# Allegro board FRDM-A-S32K356_PCBLayout.brd (continued)
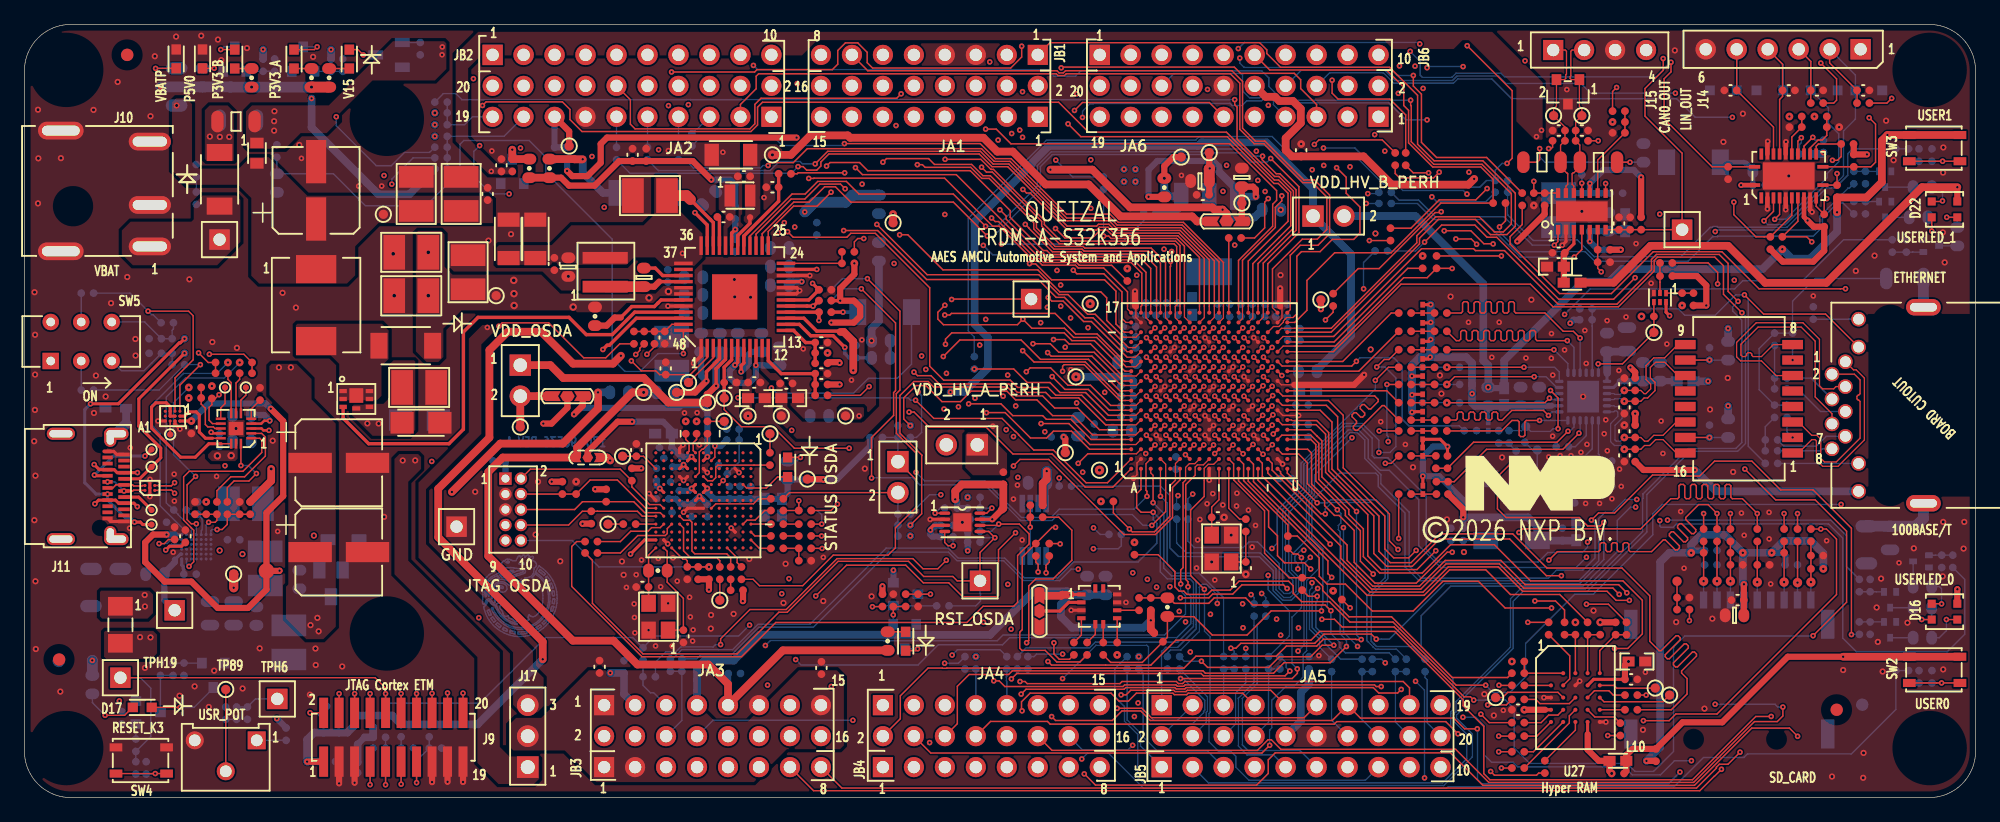
[diagram p0: board, top side]
## Routing (per net, layer and track width the routed paths; a pad name or vN(x,y) marks a point on that pad's centre or on a via; arc(x,y) is an arc through that point) (continued)
GND_ENET: length 8.5
  BOTTOM w0.889: C128.1 151.04,22.26 R235.1 155.08,22.26 155.72,22.9 J7.S2 ; C116.2 J7.S1
P3V3_ENET: length 91.5
  TOP w0.254: v1(115.31,37.58) 115.16,37.42 R254.1 ; v1(113.79,31.61) 113.87,31.61 113.91,31.66 R209.1 ; U21.6 134.61,39.82 v1(134.9,39.53) ; R186.1 v1(114.67,26.36) ; R185.1 R208.1 116.1,29.39 v1(116.69,28.79) 116.69,28.79 R216.1 ; R238.1 115.3,40.43 v1(115.31,40.44) ; R184.1 113.82,33.08 v1(113.78,33.04) ; v1(113.77,34.58) 113.78,34.57 R221.1 ; R222.1 115.13,35.98 v1(115.27,36.13) ; v1(115.31,38.98) 115.27,38.94 R239.1
  TOP w0.508: v1(136.96,26.87) 132.76,26.87 R191.1 ; v1(131.69,35.28) 132.08,34.89 R196.1 ; R734.1 137.14,42.78 137.91,42.01 v1(137.91,40.37) R735.1 ; v1(117.98,22.99) 117.98,23.65 R217.1 ; R195.1 v2(132.08,31.5)
  BOTTOM w0.254: R255.1 120.03,31.27 R256.2 ; 125.21,32.14 U14.14
  BOTTOM w0.508: C126.1 124.21,32.14 125.21,32.14 ; 127.22,21.08 C131.1 ; v1(116.69,28.79) 115.5,28.79 114.67,27.97 v1(114.67,26.36) 116.01,26.36 117.98,24.39 v1(117.98,22.99) R264.1 ; 138.06,34.15 v1(138.06,34.15) ; v1(126.75,38.92) 127.03,39.19 R541.1
  BOTTOM w0.635: R733.1 v1(139.7,32.13) ; v1(115.31,40.44) 115.31,39.61 115.31,39.6 v1(115.31,38.98) v1(115.31,37.58) 115.31,36.97 115.31,36.97 115.31,36.84 115.27,36.8 v1(115.27,36.13) ; L8.2 138.06,34.15 ; v1(117.98,22.99) 123.29,22.99 124.06,22.23 Y4.4 C132.1 127.22,21.08 ; R197.1 v1(139.7,38.48) ; v1(113.79,31.61) 113.79,32.22 113.78,32.22 v1(113.78,33.04) 113.78,33.65 113.77,33.66 v1(113.77,34.58) 113.77,35.48 114.43,36.13 v1(115.27,36.13) ; v1(115.27,36.13) 118.22,36.13 118.7,35.65 R543.1 R539.1 118.7,33.14 v1(118.71,33.13) 118.7,33.12 R537.1 118.96,32.13 R256.2 121.27,32.13 L9.2 121.4,32.14 C127.1 C126.1 ; v1(136.96,26.87) 138.72,25.12 J7.9
  vias: v3(132.6,39.47)
P3V3_QSPI: length 13.9
  TOP w0.254: 128.19,5.2 128.18,5.2 U27.E4 ; 124.69,7.21 U27.D1 ; U27.B4 128.67,9.7 C176.1
  TOP w0.508: R779.1 v3(129.21,14.38) ; 128.19,5.2 128.19,3.93 129.1,3.02 L10.2 129.97,2.17 v3(130.16,1.98) ; v2(122.99,7.21) 124.69,7.21 ; v3(131.53,11.16) 131.24,10.87 C176.1
  vias: v3(121.97,11.16) v3(127.18,14.38)
P3V3_SDA: length 50.6
  TOP w0.254: U8.K3 54.03,27.29 54.03,27.29 v1(54.05,27.31) U8.J3 ; U8.M6 52.11,25.35 v1(52.1,25.36) ; U8.G5 v1(56,25.36) 55.68,25.04 U8.G6 ; U10.3 74.55,22.33 74.29,22.08 v1(74.29,21.94) ; U8.H7 v1(55.35,24.71) 55.68,24.39 U8.G7 ; U8.H6 v1(54.7,25.36) 54.75,25.4 54.75,25.4 U8.H5 ; U8.N12 50.86,21.13 v1(49.7,19.98)
  TOP w0.508: SJ1.1 44.53,31.98 43.22,30.68 v1(42.55,30.68) ; R150.1 43.24,25.91 v1(43.24,25.92) ; v1(46.8,25.3) 46.81,25.29 R151.1 ; R152.1 45.77,22.47 v1(45.77,22.47) ; v1(56.13,17.06) 56.13,17.07 R153.1 R110.1 ; v1(65.52,26.09) 65.49,26.09 65.46,26.13 TP29.1 ; v1(58.91,16.11) 58.93,16.13 R97.1 ; R149.1 v1(50.59,27.01) ; R141.1 v1(70.36,17.34)
  TOP w0.635: SJ2.1 47.79,27.9 v1(48.03,27.65)
  BOTTOM w0.508: C83.1 54.51,25.17 v1(54.7,25.36) ; R132.1 R130.1 v1(77.35,20.25) ; C97.1 74.68,22.33 v1(74.29,21.94) 74.29,21.57 74.45,21.41 R131.1 ; C81.1 53.42,24.51 C82.1 53.87,24.07 53.89,24.09 54.39,24.09 54.43,24.06 C92.1 v1(55.35,24.71) 56,24.06 C85.1 ; R115.1 69.34,28.81 66.62,26.09 v1(65.52,26.09) R129.1 62.58,24.96 62.13,24.5 C88.1 C87.1 59.56,24.5 C84.1 C91.1 C90.1 56.54,24.51 56,25.05 v1(56,25.36) ; C89.1 51.83,25.62 v1(52.1,25.36) ; v1(54.05,27.31) 53.86,27.12 C86.1 ; Q6.2 v1(71.26,18.65) ; C101.1 J13.1
  vias: v2(72.64,21.46)
P3V3_SDHD: length 44.6
  TOP w0.508: v1(141,17.5) 140.99,17.49 C174.1 140.99,14.96 C173.1 ; R805.1 133.75,3.01 v1(133.01,3.01)
  BOTTOM w0.508: v2(143.28,20.08) 144.18,20.08 144.39,19.87 144.39,19.11 R753.1 ; v1(141,17.5) 140.99,17.49 J16.4 ; v2(136.68,20.08) 136.86,20.27 R755.1
  BOTTOM w0.635: v2(147.51,18.76) 147.51,20.03 146.49,21.05 144.24,21.05 v2(143.28,20.08) v2(140.91,20.08) ; v1(133.01,3.01) 134.13,4.13 134.13,19.32 134.89,20.08 v2(136.68,20.08) 136.68,20.76 137.47,21.55 139.44,21.55 v2(140.91,20.08) ; v2(140.91,20.08) 140.91,17.59 v1(141,17.5)
P5V0: length 235.4
  TOP w0.508: D22.1 v1(158.5,50.07) ; v1(158.5,17.09) 158.5,17.09 D16.1
  TOP w0.635: L6.2 130.31,42.24 133.34,45.26 139.71,45.26 142.74,42.23 147.76,42.23 155.6,50.07 v1(158.5,50.07) ; R137.1 62.19,12.08 JA3.9 57.7,9.31 56.09,10.92 50.26,10.92 48.3,12.87 44.97,12.87 38.03,19.81 38.03,26.71 39.23,27.9 SJ2.3 45.33,28.01 45.33,28.72 49.84,33.24 v3(50.78,33.24)
  TOP w0.889: R10.1 v3(23.54,58.28)
  L4_INT_2 w0.635: v1(158.5,17.09) 154.63,17.09 145.88,25.84 145.88,43.5 146.51,44.13 150,44.13 155.93,50.07 v1(158.5,50.07) ; JA3.9 56.4,8.88 40.48,8.88 34.15,2.55 25.39,2.55 24.02,1.18 9.28,1.18 7.79,2.67 7.79,4.71 5.57,6.93 v1(5.57,11.25)
  BOTTOM w0.508: C152.1 57.71,9.49 57.7,9.48 JA3.9
  BOTTOM w0.635: R529.2 v3(50.78,33.24) R528.1
  BOTTOM w0.889: R361.1 5.58,11.25 v1(5.57,11.25) ; v1(11.18,58.29) R5.1 16.89,58.29 16.9,58.28 v3(18.63,58.28) v3(23.54,58.28)
V11_MCU: length 7.2
  TOP w0.127: U2.H9 v1(96.71,33.73) ; U2.J10 v1(96.8,34.53) ; U2.K9 v1(98.31,33.73) ; U2.J8 v1(96.8,32.93)
  BOTTOM w0.254: 90.59,34.5 90.41,34.5 90.38,34.53 90.3,34.53
  BOTTOM w0.508: C51.1 90.93,34.17
  BOTTOM w0.635: v3(86.22,34.52) 89.59,34.52 89.61,34.53 90.3,34.53 ; 90.93,34.17 90.59,34.5
V15_MCU: length 20.3
  TOP w0.635: SJ4.1 98.57,47.27 98.57,47.91 v1(98.25,48.23) 97.58,48.23 97.39,48.41 90.66,48.41 87.57,51.51 v1(84.13,51.51)
  BOTTOM w0.635: R534.1 100.86,47.59 98.89,47.59 v1(98.25,48.23)
  vias: v1(36.82,58.97)
V15_MCU_S32K: length 4.8
  TOP w0.127: U2.E9 v1(94.31,33.73) ; U2.N8 v1(100,32.93) ; U2.N6 v1(100,31.33) ; U2.H10 v1(96,34.53) ; U2.H8 v1(96,32.93) ; U2.J13 v1(97.51,36.93) ; U2.K8 v1(97.6,32.93) ; U2.K10 v1(97.6,34.53)
  TOP w0.508: v1(106.31,40.06) 106.31,40.67 106.31,40.68 TP17.1
  vias: v3(103.02,48.22)
V25_MCU: length 0.5
  TOP w0.127: U2.J7 v1(97.51,32.13)
  vias: v3(88.15,26.86)
VBATLIN1_TJA1425: length 6.3
  TOP w0.381: U11.1 140.76,50.24 v1(140.76,50.24)
  BOTTOM w0.381: v1(140.76,50.24) 140.76,50.24 C103.1 141.73,50.24 141.73,51.38 C102.1 141.73,51.51 141.19,52.05 141.06,52.05 141,52.12 D11.C
VBATP:
  vias: v1(34.27,61.57) v1(34.25,60.93) v1(37.96,38.57) v1(123.05,60.43) v4(20.48,55.48) v4(20.48,54.71) v4(20.5,56.3)
VBATP_CAN0: length 14
  TOP w0.254: U12.10 128.36,50.37 v1(128.36,50.37)
  TOP w0.508: R170.1 v1(132.57,50.88)
  BOTTOM w0.508: U12.10 128.36,49.59 v1(128.36,50.37) 129.47,51.48 131.96,51.48 v1(132.57,50.88) ; U12.10 129.29,49.59 129.3,49.58 R169.2 ; U12.10 C106.1
VBATP_SW:
  vias: v3(12.48,56.77)
VBUS_C: length 7.7
  TOP w0.254: v1(9.26,23.87) 8.98,24.15 J11.A9 7.72,24.15 7.47,24.4 J11.B4 6.08,24.4 v1(5.78,24.1) ; v1(9.27,26.66) 8.18,26.66 J11.A4 7.61,26.65 7.36,26.9 J11.B9 6.15,26.9 v1(5.72,27.32)
VBUS_IN: length 0
  BOTTOM w0.889: 18.99,14.15 19,14.13 R730.1
  vias: v4(15.21,54.22) v4(16.02,54.2) v4(16.8,54.2) v4(20.87,35.28) v4(21.85,35.29) v4(23.46,14.15) v4(24.03,14.75) v4(24.13,13.64)
VDD_HV_A: length 76.6
  TOP w0.508: v1(23.18,2.95) J9.1
  TOP w0.635: v1(42.5,11.35) 42.5,12.78 33.93,21.35 33.93,25.33 38.13,29.53 38.13,36.71 39.63,38.21 42.38,38.21 44.99,35.6 48.26,35.6 v1(48.91,36.25) ; TP125.1 v1(71.23,47.86)
  BOTTOM w0.508: 23.19,2.96 v1(23.18,2.95) ; 27.33,4.38 27.9,4.95
  BOTTOM w0.635: R348.1 28.32,6.03 28.6,5.75 R351.1 27.9,4.95 ; R348.1 R347.1 27.08,5.93 26.48,5.33 R346.1 R345.1 23.76,5.33 23.18,4.75 v1(23.18,2.95) ; R348.1 R349.1 30.16,6.73 R352.1 R353.1 37.16,6.01 v1(42.5,11.35) ; R350.1 27.33,4.38 ; C145.1 23.19,2.96
VDD_HV_A_MCU: length 4.5
  TOP w0.127: U2.K11 v1(98.31,35.33) ; U2.L8 v1(98.4,32.93) ; U2.G10 v1(95.2,34.53) ; U2.E5 v1(94.31,30.53) ; U2.D14 v1(92.8,37.73) ; U2.H13 v1(96.71,36.93) ; U2.N5 v1(100.71,30.53) ; U2.N9 v1(100.71,33.73) ; U2.H7 v1(96.71,32.13)
  vias: v3(87.39,40.51)
VDD_HV_A_PERH: length 110.9
  TOP w0.381: v1(146.21,47.34) 145.92,47.63 U11.9
  TOP w0.508: R165.1 150,53.59 R163.1 v1(151.09,52.76) ; R156.1 144.18,43.96 146.68,43.96 147.58,44.86 R157.1 146.72,46.83 v1(146.21,47.34)
  TOP w0.635: JA6.10 101.77,57.48 102.55,57.48 102.9,57.14 104.03,57.14 104.66,56.5 104.66,55.33 103.42,54.09 103.42,53.11 103.93,52.6 C150.1 109.81,52.6 112.13,50.28 118.4,50.28 v1(118.88,50.75)
  L4_INT_2 w0.635: v1(7.79,7.93) 9.24,6.48 v1(20.7,6.48) 22.69,4.49 34.27,4.49 40.01,10.23 v1(48.04,10.23)
  BOTTOM w0.508: R363.2 v1(20.7,6.48)
  BOTTOM w0.635: C157.1 105.33,9.29 104.67,8.63 104.67,6.3 JA5.10 ; JA3.3 49.17,8.49 C155.1 48.05,10.22 v1(48.04,10.23) ; v1(23.55,57.35) 23.55,54.97 28.08,50.43 28.08,50.43 29.02,49.49 31.57,49.49 R396.1 ; R164.1 147.4,52.79 v2(147.51,52.91) ; v1(25.14,61.35) 25.15,61.35 R441.1
  vias: v1(80.64,17.49) v1(134.09,47.86) v2(144.73,55.87) v3(33.65,56.16)
VDD_HV_B: length 65.8
  BOTTOM w0.635: v1(75.94,33.26) 77.04,33.26 79.01,35.23 79.01,37.74 77.91,38.83 77.91,47.24 82.58,51.91 82.58,52.02 84.01,53.45 96.24,53.45 96.53,53.74 101.86,53.74 105.66,49.94 JP5.1 108.77,44.59 108.77,37.89 105.99,35.1 R533.1
  vias: v1(68.44,31.31)
VDD_HV_B_MCU: length 5
  TOP w0.127: U2.R7 v1(102.31,32.13) ; U2.R10 v1(101.6,34.53) ; U2.N4 v1(100,29.73)
  TOP w0.508: v1(97.19,51.61) 97.19,51.66 97.16,51.7 TP130.1 ; C63.1 97.16,49.46 97.16,50.58 C62.1
  TOP w0.889: v1(97.19,51.61) 97.15,51.57 C62.1
VDD_HV_B_PERH: length 214.1
  TOP w0.254: U17.1 85.8,16.67 v1(85.78,16.64)
  TOP w0.508: v1(149.13,11.56) 144.59,11.56 139.22,6.18 135.97,6.18 R805.2 131.87,4 131.35,3.48 L10.1 131.35,2.17 R495.1
  TOP w0.635: SW2.2 SW2.1 v1(149.13,11.56) ; v1(85.78,16.64) 85.11,16.64 85.02,16.56 SJ5.3 ; SW3.2 SW3.1 v1(152.77,54.35) 152.31,53.89 152.31,50.49 151.05,49.23 R159.1 v1(148.63,48.01) ; v1(83.83,26.78) 83.83,26.11 83.49,25.77 R524.1 ; R521.1 v1(92.36,14.54) 92.36,13.78 R522.1
  L4_INT_2 w0.635: v2(146.78,55.87) 149.57,53.08 149.57,48.95 v1(148.63,48.01) ; v1(149.13,11.56) 149.13,21.25 143.64,26.74 143.64,44.48 v2(144.14,44.98)
  BOTTOM w0.381: U18.8 83.78,25.76 83.83,25.81 C180.1
  BOTTOM w0.508: v3(120.03,33.66) 120.1,33.58 L9.1
  BOTTOM w0.635: JA3.7 55.16,8.79 55.16,8.79 55.16,9.61 55.15,9.62 C153.1 55.15,10.64 55.75,11.24 58.17,11.24 60.29,13.36 70.67,13.36 70.68,13.35 79.18,13.35 82.76,16.92 85.5,16.92 v1(85.78,16.64) ; R14.1 v1(19.57,61.36) ; v1(85.78,16.64) 85,15.86 85,14.84 85.9,13.94 91.76,13.94 v1(92.36,14.54) ; v1(85.78,16.64) 87.13,16.64 C160.1 C159.1 ; JP5.2 114.07,47.7 119.62,42.14 119.62,35.86 120.03,35.45 v3(120.03,33.66) ; L9.1 121.34,35.85 127.8,42.32 129.95,42.32 130.98,43.35 142.51,43.35 v2(144.14,44.98) 144.92,44.21 146.42,44.21 148.63,46.42 v1(148.63,48.01)
  BOTTOM w0.889: v1(83.83,26.78) C180.1
VDD_OSDA: length 5.1
  TOP w0.635: SJ1.2 42.11,32.93 42.11,32.93 JP11.2 TP127.1
VDDIO_SDA: length 11.5
  TOP w0.254: U10.7 v1(79.36,22.83)
  TOP w0.508: 80.15,23.62 v1(79.36,22.83)
  TOP w0.635: 80.15,23.62 80.27,23.73 R124.2 76.87,25.68 76.33,25.14 v1(76.33,24.46)
  BOTTOM w0.508: v1(76.33,24.46) 76.48,24.31 R133.1 R134.1 ; v1(79.36,22.83) 78.58,22.83 C98.1
ACC_BT_MODE: length 3.7
  TOP w0.254: U17.2 85.63,16.02 84.92,15.3 SJ5.1
ACC_I2C_SCL: length 1.8
  TOP w0.118: U17.5 87.81,13.4 R516.2
ACC_I2C_SDA: length 2.2
  TOP w0.118: R518.2 86.67,13.34 U17.4
ACC_INT1: length 1.8
  TOP w0.118: R519.1 U17.8
ACC_INT2: length 1.5
  TOP w0.118: U17.6 R520.1
ACC_WAKE_UP: length 2
  TOP w0.118: U17.7 R517.1
ADC_POT0: length 171.7
  TOP w0.118: v1(101.99,49.13) 101.7,48.84 101.7,46.73 100.87,45.91 R51.1
  L3_INT_1 w0.127: v1(63.37,58.57) 63.37,55.91 64.05,55.23 64.05,51.5 63.71,51.16 63.71,50.72 65.98,48.45 65.98,46.76 67.26,45.47 67.26,41.6 68.39,40.47 68.39,38.84 66.39,36.84 66.39,29.73 66.76,29.37 66.76,25.2 67.24,24.72 67.24,19.8 63.62,16.17 63.62,12.37 64.06,11.93 64.06,10.8 62.49,9.23 v1(60.94,9.23)
  L4_INT_2 w0.127: TPH6.1 23.43,5.4 26.55,5.4 28.54,7.39 35.78,7.39 40.53,12.13 47.38,12.13 49.61,9.89 57.1,9.89 57.77,9.23 v1(60.94,9.23) ; v1(63.37,58.57) 63.46,58.48 63.46,56.31 63.69,56.08 63.69,53.89 65.28,52.3 68.62,52.3 69.99,50.92 75.91,50.92 77.48,52.49 84.18,52.49 84.4,52.71 87.25,52.71 87.27,52.73 95.3,52.73 97.05,50.98 98.68,50.98 99.86,49.81 101.04,49.81 101.72,49.13 v1(101.99,49.13) 102.18,48.94 108.8,48.94 109.82,47.92 109.82,47.91 113.3,44.43 v2(114.65,44.43)
  BOTTOM w0.118: TPH6.1 18.95,8.09 C158.1 R369.2
BYPASS1: length 3.3
  TOP w0.203: v1(20.12,30.91) 19.66,30.91 19.42,30.68 U4.4
  BOTTOM w0.508: C75.2 19.65,31.38 v1(20.12,30.91)
CAN0_EN: length 31
  TOP w0.118: U12.6 R173.2 R182.1 129.01,43.42 v1(129.3,43.13) ; v1(114.81,45.56) 116.21,46.96 118.94,46.96 119.94,45.96 120.73,45.96 125.81,40.88 130.31,40.88 v1(132.08,42.65)
  L3_INT_1 w0.127: v1(129.3,43.13) 131.59,43.13 v1(132.08,42.65)
  BOTTOM w0.118: R73.1 114.08,44.84 v1(114.81,45.56)
CAN0_ERRN: length 71
  TOP w0.118: U12.8 v1(129.66,50.37)
  L3_INT_1 w0.127: v1(129.66,50.37) 128.65,51.38 123.68,51.38 121.24,48.94 118.85,48.94 v1(118.29,49.5)
  BOTTOM w0.118: R74.1 77.89,37.78 77.39,38.28 77.39,47.51 83.81,53.93 96.04,53.93 96.34,54.22 102.32,54.22 103.4,53.14 103.4,53.09 104.03,52.46 109.29,52.46 111.42,50.34 112.49,50.34 113.03,49.8 118,49.8 v1(118.29,49.5)
CAN0_INH: length 164.4
  TOP w0.118: v1(38.9,38.67) 39.18,38.94 42.99,38.94 45.86,36.07 47.67,36.07 48.82,37.22 R4.1 ; v1(134.38,60.62) 134.38,60.62 134.38,59.66 132.89,58.16 132.89,55.9 135.93,52.86 TPH24.1 R170.2 R179.1 C115.1 U12.7
  L3_INT_1 w0.127: v1(39.75,49.52) 35.59,45.36 35.59,43.02 38.9,39.7 v1(38.9,38.67)
  L4_INT_2 w0.127: v1(134.38,60.62) 134.38,61.68 133.44,62.62 113.43,62.62 113.31,62.73 61.25,62.73 61.16,62.82 37.42,62.82 35.66,61.06 35.66,58.12 35.71,58.06 35.71,55.09 v1(37.33,53.48)
  BOTTOM w0.118: v1(39.75,49.52) 38.29,49.52 36.85,50.95 36.85,53.01 v1(37.33,53.48)
CAN0_RX: length 19.3
  TOP w0.118: U12.4 127.71,44.95 v1(127.09,44.34)
  BOTTOM w0.118: v1(127.09,44.34) 122.65,44.34 119.58,47.41 115.55,47.41 114.22,48.74 R54.1
CAN0_STB: length 15.5
  TOP w0.118: U12.14 R172.2 R181.1 v1(123.77,50.55) ; R75.1 v1(121.11,44.43)
  L3_INT_1 w0.127: v1(121.11,44.43) 121.44,44.76 121.44,47.46 123.77,49.79 v1(123.77,50.55)
CAN0_TX: length 16.6
  TOP w0.118: v1(125.45,45.31) 125.74,45.61 125.74,45.83 125.76,45.84 U12.1
  BOTTOM w0.118: v1(125.45,45.31) 123.65,45.31 121.32,47.64 115.69,47.64 114.32,49.01 112.72,49.01 R52.1
CAN0_WAKE: length 7.6
  TOP w0.118: R454.2 R171.2 R180.1 129.01,52.3 U12.9
CAN_H_OUT: length 14.4
  TOP w0.104: J15.1 126.34,61.32 126.45,61.22 126.45,59.35 126.39,59.29 126.39,59 126.28,58.89 U13.2 125.63,56.73 125.39,56.49 TP58.1 126.32,55 C113.1 R174.1 125.96,53.51 R176.1 125.96,51.74 126.45,51.25 126.47,51.25 126.55,51.17 126.55,50.31 126.41,50.16 U12.13
CAN_L_OUT: length 14.3
  TOP w0.104: J15.2 126.91,61.32 126.8,61.22 126.8,59.2 126.74,59.14 126.74,59 126.85,58.89 U13.1 127.51,56.7 127.71,56.49 TP59.1 127.2,55.43 C114.1 R175.1 127.55,53.53 R178.2 127.55,51.74 127.06,51.25 126.99,51.25 126.91,51.17 126.91,50.31 127.06,50.16 U12.12
CANH_OUT: length 150
  TOP w0.118: JB3.7 64.71,0.57 137.38,0.57 138.55,1.74 138.58,1.74 v1(139.16,2.32) ; R174.2 125.31,53.35 125.2,53.24 v1(124.98,53.24)
  L3_INT_1 w0.127: v1(139.16,2.32) 139.24,2.24 139.66,2.24 140.26,2.83 140.26,10.06 148.21,18.01 148.21,19.49 147.64,20.06 147.08,20.06 146.51,20.64 146.51,23.63 142.72,27.42 142.72,41.64 139.38,44.98 139.38,49.35 135.79,52.94 125.28,52.94 v1(124.98,53.24)
CANL_OUT: length 144
  TOP w0.118: R175.2 129.05,53.88 v1(129.05,53.88) ; JB3.8 67.03,0.79 137.11,0.79 138.74,2.42 138.74,2.49 138.98,2.74 139.69,2.74 v1(140.68,3.73)
  L3_INT_1 w0.127: v1(129.05,53.88) 135.4,53.88 139.77,49.51 139.77,45.14 143.1,41.8 143.1,27.36 146.74,23.72 146.74,20.73 147.13,20.34 148.11,20.34 148.56,19.89 148.56,17.82 140.68,9.93 v1(140.68,3.73)
CON_CC1: length 6.8
  BOTTOM w0.118: R448.1 R438.2 R123.1 10.46,35.67 10.45,35.67 9.8,35.02 7.96,35.02 SW5.3
CON_CC2: length 6.9
  BOTTOM w0.118: R449.1 12.22,38.45 12.11,38.34 R439.2 R128.1 9.87,39.01 SW5.6
DBG_ACC: length 2.7
  TOP w0.118: TP21.1 16.45,32.32 16.1,31.97 U4.9
EN_SNK: length 4.1
  TOP w0.118: v1(15.1,22.58) 15.63,22.58 15.79,22.74 R85.2 R455.2 R457.1
  BOTTOM w0.118: U3.F1 14.9,22.37 v1(15.1,22.58)
EN_SRC: length 4.6
  TOP w0.118: R456.2 R458.1 R84.2 16.64,22.41 16.21,21.99 v1(15.8,21.99)
  BOTTOM w0.118: U3.G1 15.3,21.9 15.38,21.99 v1(15.8,21.99)
ENET_CON_NC4: length 4.4
  BOTTOM w0.118: J7.4 146.5,34.42 R188.1
ENET_CON_NC5: length 5.6
  BOTTOM w0.118: J7.5 147.27,31.67 145.41,33.53 R198.1
ENET_CON_NC7: length 6.1
  BOTTOM w0.118: J7.7 147.74,29.63 146.94,28.83 144.27,28.83 R201.1
ENET_CON_NC8: length 4.5
  BOTTOM w0.118: R204.1 147.27,28.45 147.44,28.61 J7.8
ENET_CON_RXN: length 20.5
  TOP w0.104: T1.8 143.42,37.16 142.44,36.18 141.74,36.18 141.64,36.28 141.64,36.39 141.54,36.5 141.33,36.5 141.22,36.39 141.22,36.28 141.12,36.18 140.88,36.18 140.75,36.3 140.75,37.19 142.16,38.59 145.69,38.59 146.84,37.44 146.84,32.87 148.22,31.49 J7.6
ENET_CON_RXP: length 20.6
  TOP w0.104: J7.3 148.54,33.71 148.36,33.53 147.45,33.53 147.19,33.78 147.19,37.59 145.84,38.95 142.01,38.95 140.4,37.34 140.4,36.16 140.73,35.82 142.44,35.82 143.64,34.62 T1.6
ENET_CON_TXN: length 16.2
  TOP w0.104: T1.3 145.47,30.81 146.56,29.72 146.98,29.72 147.29,29.41 147.29,27.83 147.59,27.53 148.57,27.53 150.52,29.48 150.52,32.5 150.42,32.6 150.37,32.6 150.26,32.71 150.26,32.92 150.37,33.02 150.42,33.02 150.52,33.12 150.52,34.26 150.05,34.73 J7.2
ENET_CON_TXP: length 16.2
  TOP w0.104: J7.1 149.98,35.09 150.2,35.09 150.88,34.41 150.88,29.34 148.72,27.18 147.45,27.18 146.94,27.69 146.94,29.26 146.83,29.36 146.56,29.36 145.47,28.27 T1.1
ENET_CT1: length 1.8
  BOTTOM w0.118: R205.1 144.53,30 v2(144.99,29.54)
ENET_CT2: length 1.2
  BOTTOM w0.118: v2(144.99,35.89) R218.1
ENET_CT3: length 3.5
  TOP w0.118: v2(138.18,35.89) T1.10
  BOTTOM w0.118: R197.2 v2(138.18,35.89)
ENET_CT4: length 3.5
  TOP w0.118: v2(138.18,29.54) T1.15
  BOTTOM w0.118: v2(138.18,29.54) R733.2
ENET_RESET: length 8.9
  TOP w0.118: U21.4 R744.2 TP135.1 131.04,35.58 v1(129.05,35.58)
  BOTTOM w0.118: U14.24 129.06,35.56 v1(129.05,35.58)
ENET_RXN: length 10
  TOP w0.104: v2(131.19,33.4) R196.2 132.54,33.4 132.81,33.13 132.96,33.13 133.35,33.53 133.35,33.91 132.97,34.29 132.97,35.43 133.6,36.07 134.49,36.07 135.59,37.16 T1.9
  BOTTOM w0.104: v2(131.19,33.4) 130.86,33.07 130.41,33.07 130.34,33.14 U14.3
ENET_RXP: length 10
  TOP w0.104: v2(131.19,32.51) R192.2 132.54,32.51 132.81,32.78 133.1,32.78 133.71,33.38 133.71,34.06 133.32,34.44 133.32,35.29 133.75,35.71 134.49,35.71 135.59,34.62 T1.11
  BOTTOM w0.104: v2(131.19,32.51) 130.99,32.72 130.41,32.72 130.34,32.64 U14.4
ENET_TXN: length 10.8
  TOP w0.104: v2(131.19,29.54) R195.2 132.54,29.54 132.85,29.24 133.12,29.24 133.6,29.72 134.37,29.72 135.46,30.81 T1.14
  BOTTOM w0.104: v2(131.19,29.54) 130.89,29.24 130.53,29.24 130.43,29.34 130.43,30.53 131.01,31.12 131.01,31.76 130.7,32.07 130.41,32.07 130.34,32.14 U14.5
ENET_TXP: length 10.8
  TOP w0.104: T1.16 135.46,28.27 134.37,29.36 133.75,29.36 133.27,28.88 132.85,28.88 132.54,28.57 R191.2 v2(131.19,28.57)
  BOTTOM w0.104: U14.6 130.34,31.64 130.41,31.72 130.56,31.72 130.66,31.61 130.66,31.27 130.07,30.68 130.07,29.19 130.38,28.88 130.89,28.88 v2(131.19,28.57)
ENETPHY_MII_RMII_MDC: length 2
  TOP w0.118: R189.2 R185.2 R220.2
ENETPHY_MII_RMII_MDIO: length 2.1
  TOP w0.118: R187.2 R186.2 R223.2
ENETPHY_MII_RMII_RX_ER: length 1.9
  TOP w0.118: R227.2 R221.2 R244.1
ENETPHY_MII_RMII_RXD0: length 1.9
  TOP w0.118: R210.2 R209.2 R232.1
ENETPHY_MII_RMII_RXD1: length 1.9
  TOP w0.118: R234.1 R208.2 R211.2
ENETPHY_MII_RMII_TX_CLK: length 1.8
  BOTTOM w0.118: R263.1 R255.2 R257.2
ENETPHY_MII_RMII_TX_EN: length 1.9
  TOP w0.118: R259.2 R254.2 R271.1
ENETPHY_MII_RMII_TXD0: length 1.9
  TOP w0.118: R228.1 R239.2 R241.2
ENETPHY_MII_RMII_TXD1: length 1.9
  TOP w0.118: R242.2 R238.2 R229.1
EPHY_ANEN_S: length 44.3
  TOP w0.118: J7.11 147.69,39.66 142.61,39.66 v1(141.04,41.24)
  BOTTOM w0.118: U14.23 128.56,38.68 128.55,38.69 R541.2 R542.1 135.62,40.09 136.15,39.56 138.64,39.56 140.32,41.24 v1(141.04,41.24) 141.35,40.93 141.35,28.81 R219.2
EPHY_INTR: length 1.9
  TOP w0.118: R243.1 R222.2 R224.2
EPHY_INTRP: length 12.2
  TOP w0.118: v2(116.64,35.3) v1(122.96,35.3)
  BOTTOM w0.118: v1(122.96,35.3) 125.47,35.3 125.86,34.91 U14.18 ; R543.2 v2(116.64,35.3) R544.1
EPHY_MDC: length 13.3
  TOP w0.118: v1(126.57,30.05) 125.67,29.15 118.83,29.15 R216.2 R220.1
  BOTTOM w0.118: U14.11 127.06,30.4 126.72,30.05 v1(126.57,30.05)
EPHY_MDIO: length 14.4
  TOP w0.118: v1(127.47,29.89) 126.15,28.57 119.89,28.57 117.24,25.91 R217.2 R223.1
  BOTTOM w0.118: U14.10 127.56,29.98 v1(127.47,29.89)
EPHY_PHYAD: length 11.5
  TOP w0.118: v2(116.64,32.39) 124.68,32.39 v1(125.05,32.77)
  BOTTOM w0.118: R537.2 v2(116.64,32.39) R538.1 ; U14.15 125.17,32.64 v1(125.05,32.77)
EPHY_PME_EN: length 11.9
  TOP w0.118: v1(123.8,34.52) 117.27,34.52 v2(116.64,33.89)
  BOTTOM w0.118: v1(123.8,34.52) 124.76,34.52 125.64,33.64 U14.17 ; R540.1 v2(116.64,33.89) R539.2
EPHY_REFCLK: length 8.6
  TOP w0.118: v1(125.14,33.39) 125.76,32.78 v1(125.76,30.26)
  BOTTOM w0.118: v1(125.14,33.39) 125.39,33.14 U14.16 ; R267.1 122.76,30.1 TP63.1 123.51,30.04 125.13,30.04 125.34,30.26 v1(125.76,30.26)
EPHY_RXD0: length 14
  TOP w0.118: v1(124.97,31.35) 124.56,31.76 121.96,31.76 121.18,30.97 120.92,30.97 120.81,31.09 120.81,31.51 120.69,31.63 120.45,31.63 120.33,31.51 120.33,31.09 120.22,30.97 119.98,30.97 119.86,31.09 119.86,31.51 119.74,31.63 119.51,31.63 119.39,31.51 119.39,31.09 119.27,30.97 119.03,30.97 118.92,31.09 118.92,31.51 118.8,31.63 118.56,31.63 118.44,31.51 118.44,31.09 118.33,30.97 118.09,30.97 117.97,31.09 117.97,31.51 117.85,31.63 117.62,31.63 117.5,31.51 117.5,31.09 117.38,30.97 R232.2
  BOTTOM w0.118: v1(124.97,31.35) 125.26,31.64 U14.13
EPHY_RXD1: length 12.7
  TOP w0.118: v1(124.24,30.94) 123.16,30.94 123.04,30.82 123.04,29.73 122.92,29.61 122.68,29.61 122.57,29.73 122.57,30.82 122.45,30.94 121.98,30.94 121.12,30.08 R234.2
  BOTTOM w0.118: v1(124.24,30.94) 124.79,30.94 124.8,30.93 125.14,30.93 125.14,30.94 U14.12
EPHY_TXD0: length 22.8
  TOP w0.118: v1(126.51,37.48) 124.03,37.48 123.91,37.6 123.91,38.2 123.8,38.32 123.56,38.32 123.44,38.2 123.44,37.6 123.32,37.48 123.09,37.48 122.97,37.6 122.97,38.2 122.85,38.32 122.61,38.32 122.5,38.2 122.5,37.6 122.38,37.48 122.14,37.48 122.02,37.6 122.02,38.2 121.91,38.32 121.67,38.32 121.55,38.2 121.55,37.6 121.43,37.48 121.2,37.48 121.08,37.6 121.08,38.2 120.96,38.32 120.72,38.32 120.61,38.2 120.61,37.6 120.49,37.48 120.25,37.48 120.13,37.6 120.13,38.2 120.02,38.32 119.78,38.32 119.66,38.2 119.66,37.6 119.54,37.48 119.31,37.48 119.19,37.6 119.19,38.2 119.07,38.32 118.83,38.32 118.72,38.2 118.72,37.6 118.6,37.48 118.36,37.48 118.24,37.6 118.24,38.2 118.13,38.32 117.89,38.32 117.77,38.2 117.77,37.6 117.65,37.48 117.41,37.48 R228.2
  BOTTOM w0.118: v1(126.51,37.48) 127.06,36.93 U14.20
EPHY_TXD1: length 22.5
  TOP w0.118: v1(127.56,37.7) 127.01,38.25 126.18,38.25 124.68,39.75 122.3,39.75 122.18,39.87 122.18,40.56 122.06,40.68 121.82,40.68 121.71,40.56 121.71,39.87 121.59,39.75 121.35,39.75 121.23,39.87 121.23,40.56 121.11,40.68 120.88,40.68 120.76,40.56 120.76,39.87 120.64,39.75 120.41,39.75 120.29,39.87 120.29,40.56 120.17,40.68 119.93,40.68 119.82,40.56 119.82,39.87 119.7,39.75 119.46,39.75 119.34,39.87 119.34,40.56 119.22,40.68 118.99,40.68 118.87,40.56 118.87,39.87 118.75,39.75 118.52,39.75 118.4,39.87 118.4,40.56 118.28,40.68 118.04,40.68 117.93,40.56 117.93,39.87 117.81,39.75 R229.2
  BOTTOM w0.118: v1(127.56,37.7) U14.21
EPHY_TXEN: length 11.1
  TOP w0.118: v1(125.42,36.74) R271.2
  BOTTOM w0.118: U14.19 126.56,35.59 v1(125.42,36.74)
ETM_TRACE_CLKOUT: length 103
  TOP w0.118: J9.12 v1(30.89,8.53)
  TOP w0.127: U2.K7 v1(98.31,32.13)
  L3_INT_1 w0.102: 100.09,26.04 98.54,27.59 98.54,28.86 98.02,29.38 98.02,31.84 v1(98.31,32.13)
  L3_INT_1 w0.127: 100.09,26.04 103.44,22.69 103.44,17.9 104.09,17.25 104.09,14.41 v1(103.01,13.33)
  L4_INT_2 w0.127: v1(103.01,13.33) 101.02,11.34 97.3,11.34 96,12.63 91.24,12.63 90.05,13.82 81.7,13.82 81.05,13.17 78.78,13.17 77.86,14.09 63.73,14.09 61.29,11.65 50.98,11.65 48.44,14.19 36.54,14.19 v1(30.89,8.53)
ETM_TRACE_D0: length 92.5
  TOP w0.118: J9.14 v1(32.16,8.53)
  TOP w0.127: U2.K6 v1(97.6,31.33)
  L3_INT_1 w0.102: v1(97.6,31.33) 97.08,30.8 97.08,30.42 97.22,30.27 97.22,29.35 97.09,29.21 97.09,28.77 97.09,28.77 97.09,28.03 96.14,27.08 96.14,26.04
  L3_INT_1 w0.127: v1(95.6,11.95) 95.6,12.41 95.94,12.75 95.94,17.78 95.26,18.46 95.26,22.79 96.14,23.67 96.14,24.43 96.61,24.9 96.61,25.42 96.14,25.88 96.14,26.04
  L4_INT_2 w0.127: v1(32.16,8.53) 37.46,13.83 48.29,13.83 50.83,11.29 61.43,11.29 63.96,13.81 77.77,13.81 78.77,12.82 81.2,12.82 81.97,13.59 89.78,13.59 91.42,11.95 v1(95.6,11.95)
ETM_TRACE_D1: length 101.1
  TOP w0.118: J9.16 v1(33.43,8.55)
  TOP w0.127: U2.L6 v1(98.4,31.33)
  L3_INT_1 w0.102: 100.89,26.04 99.3,27.62 99.3,28.66 99.44,28.79 99.44,29.06 99.24,29.26 99.21,29.26 98.82,29.64 98.82,30.29 98.4,30.71 v1(98.4,31.33)
  L3_INT_1 w0.127: v1(104.42,18.76) 104.42,18.34 104.48,18.28 104.48,14.35 104.47,14.35 v1(104.47,13.93) ; 100.89,26.04 104.11,22.81 104.11,21.09 v1(104.91,20.29)